# Allegro board fscvmotherboardv2.brd (continued)
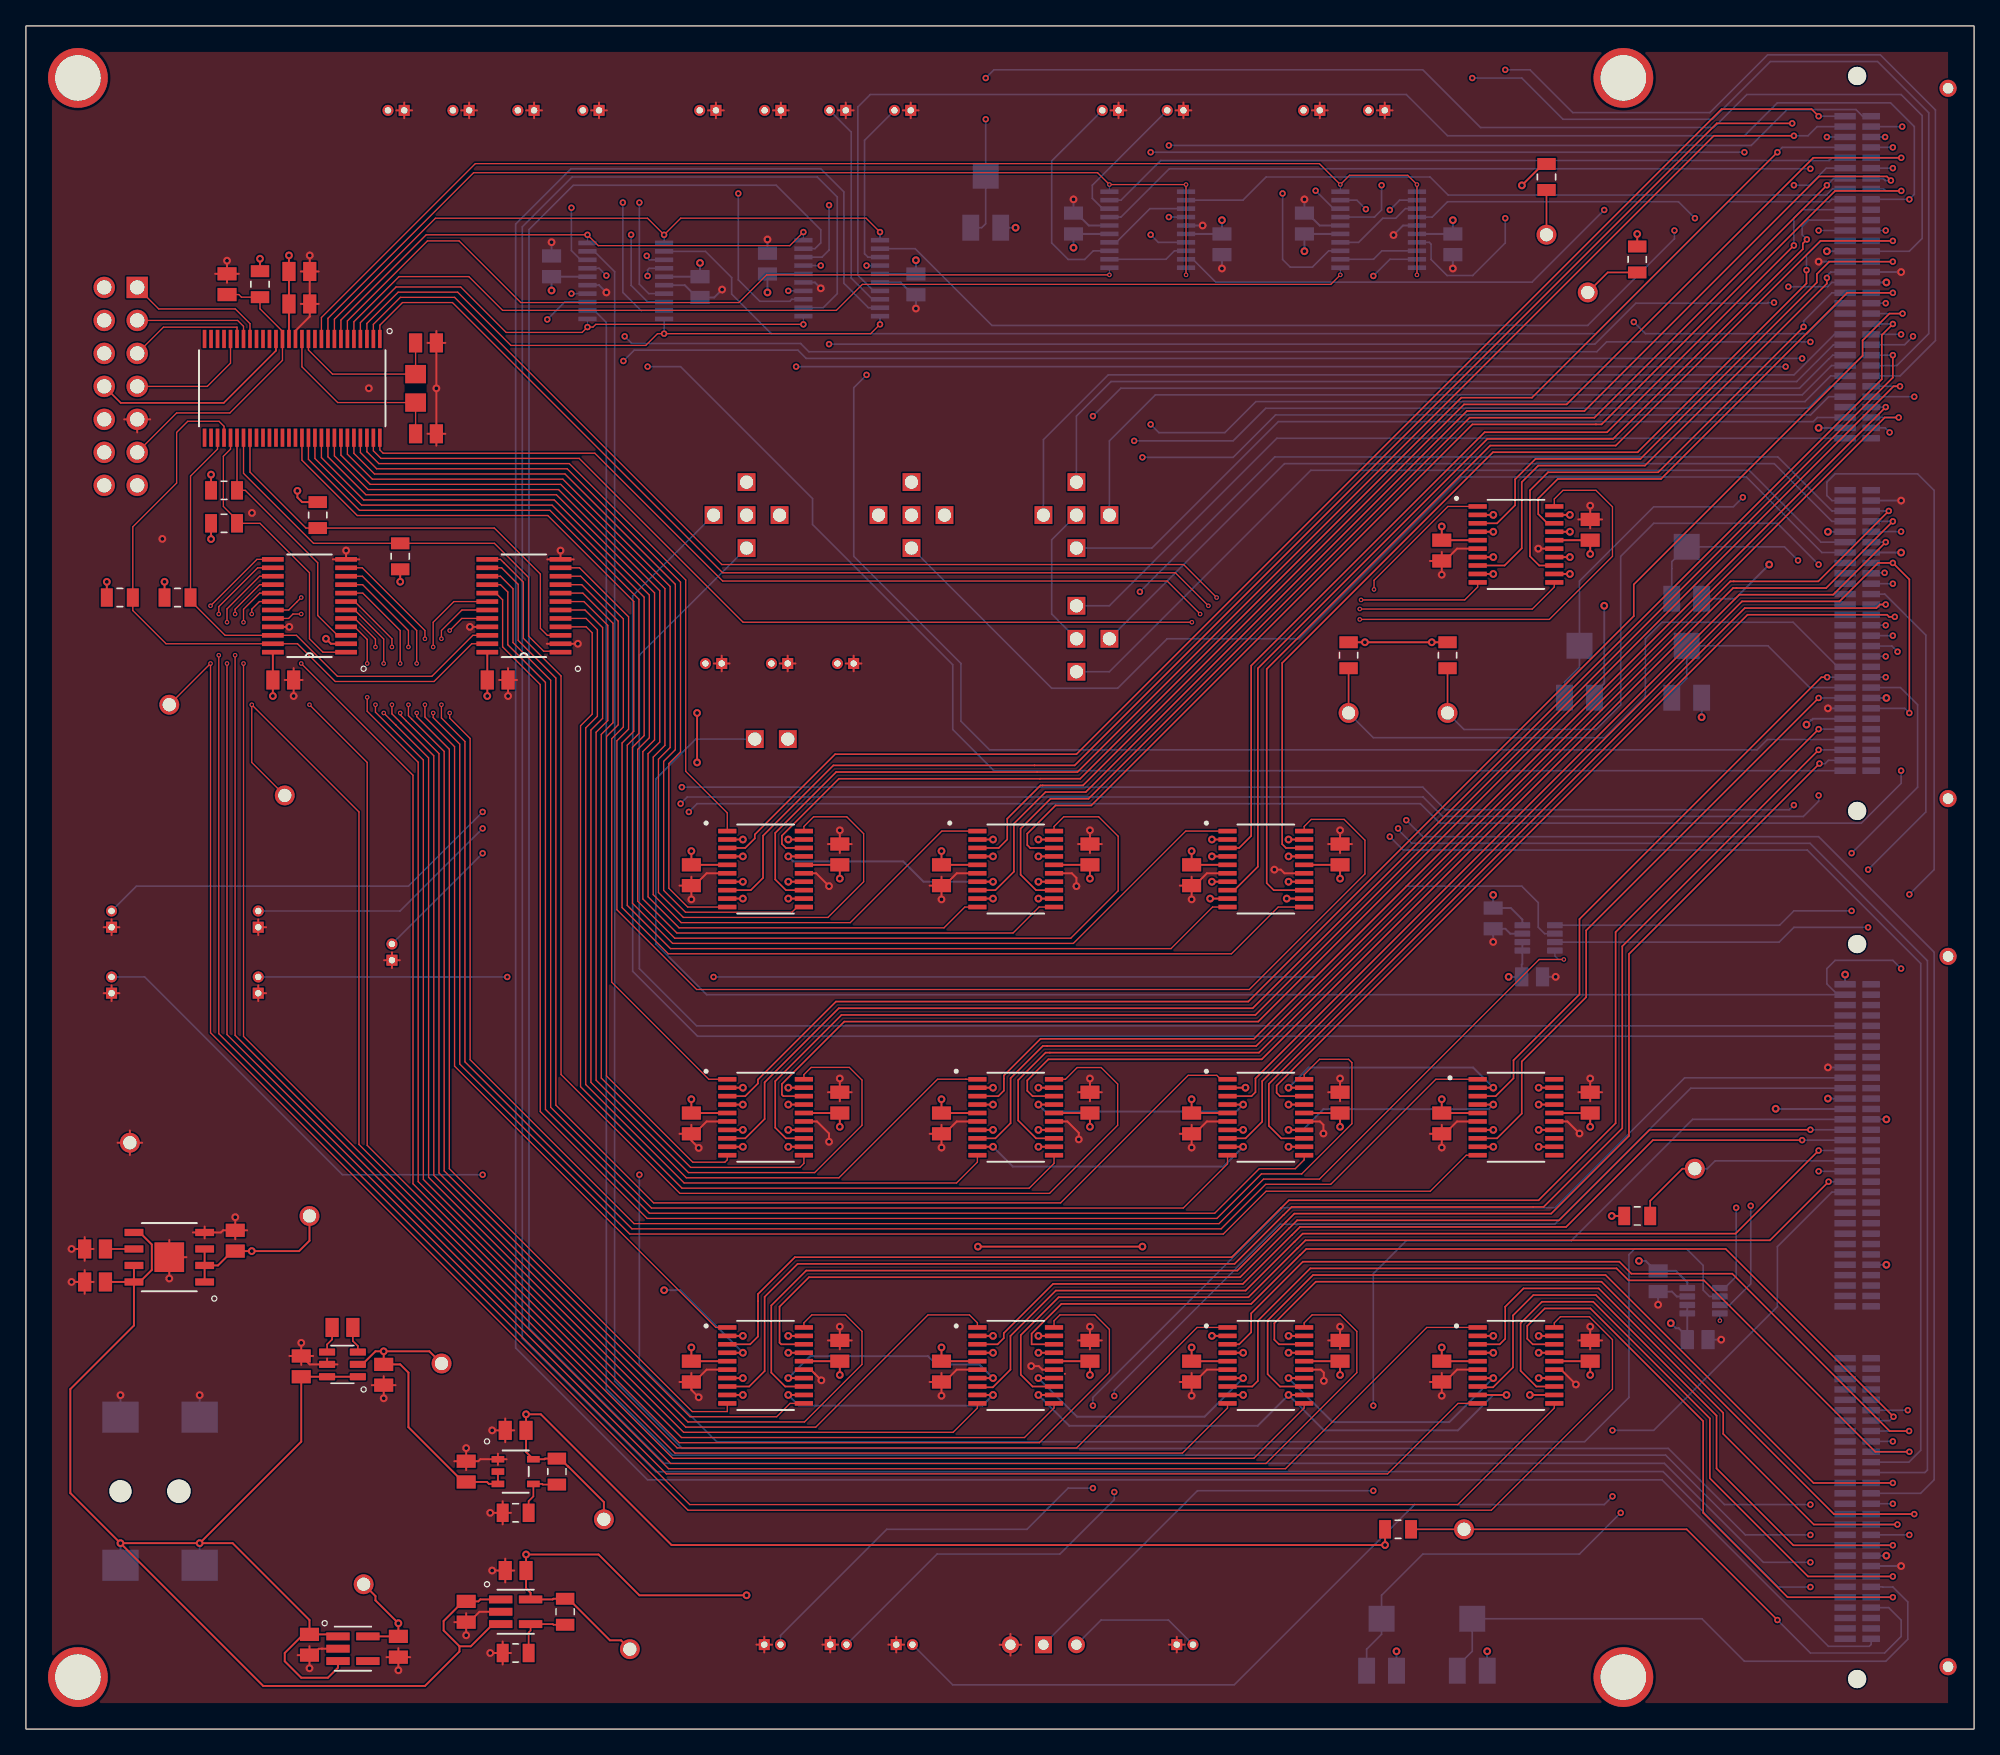
[diagram p0: board, top side]
## Placement (name value [footprint] x y rotation side) (continued)
UNK-5V  5000  [KEYSTONE_5000]  32 28.15 0 bottom
VB  5000  [SAMTEC_TLW-101-06-T-S]  68.19 93.49 180 bottom
VD1  5000  [SAMTEC_TLW-101-06-T-S]  80.89 93.49 0 bottom
VD2  5000  [SAMTEC_TLW-101-06-T-S]  80.89 83.96 0 bottom
VDD_IT1  5000  [SAMTEC_TLW-101-06-T-S]  56.12 76.23 270 bottom
VR1  3314J-1-754E  [TRIM_3314J-1-754E]  119.62 81.42 180 bottom
VR2  3314J-1-754E  [TRIM_3314J-1-754E]  111.36 6.49 180 bottom
VR3  3314J-1-754E  [TRIM_3314J-1-754E]  127.88 81.42 180 bottom
VR4  3314J-1-754E  [TRIM_3314J-1-754E]  104.38 6.49 180 bottom
VR5  3314J-1-754E  [TRIM_3314J-1-754E]  73.9 117.62 180 bottom
VR6  3314J-1-754E  [TRIM_3314J-1-754E]  127.88 89.04 180 bottom
VS  5000  [SAMTEC_TLW-101-06-T-S]  55.48 93.49 180 bottom
X1  Crystal  [XTAL_KA-A3_EPS]  30 103.25 270 top

## Library data of the parts
1.65V GND1 IBX_PR IREF_IBX_12 IREF_IBX_34 IREF_IBX_56 IREF_IBX_78 IREF_IBX_D SNFET_1_VD SNFET_2_VD SNFET_3_VD SNFET_4_VD SNFET_5_VB SNFET_5_VD SNFET_5_VS SNFET_SHARED_VB SNFET_SHARED_VS SPFET_1_VB SPFET_1_VD SPFET_1_VS SPFET_2_VB SPFET_2_VD SPFET_2_VS TP1 TP2 UNK3.3V UNK+1.65V UNK+5V UNK-1.65V UNK-5V VB VD1 VD2 VDD_IT1 VS = TP
C1-C55 = C
J1 = FSCV HSEC8-160-01-L-RA x 2
J2 = JTAG_87831-1420
J3 = PowerJack_PJ-002AH-SMT-TR
J4-J27 = Connec2
R1-R7 R10-R19 = R
SW1 = Switch_1P2T_MSS-102559-14A-D
U1 = MSP430FR4132IG56
U2 = Volt_Reg_ADP7118ARDZ-3.3: User Part Number: PN
U3 U7 = TPS78401QDBVRQ1
U4 U6 = TCA9539PWR
U5 = LTC1983ES6_5
U8 = MAX1735EUK25T
U9-U24 = TMUX6234PWR
U25 U26 = TMUX6119DCNR
VR1-VR6 = Res_3314J-1-754E
X1 = Crystal

## Footprints (pads in the part's own frame, mm; a bottom-side part is the same pattern mirrored in y, then rotated)
2XSAMTEC_HSEC8-160-01-X-RA-XX
  round 1.4 hole 1.4 unplated: (-28.3,0) (28.3,0) (38.55,0) (95.15,0)
  round 1.318 hole 0.81: (-27.35,-7) (27.35,-7) (39.5,-7) (94.2,-7)
  rect 0.5x1.65 smd: 1(-25.2,0.925) 2(-24.4,0.925) 3(-23.6,0.925) 4(-22.8,0.925) 5(-22,0.925) 6(-21.2,0.925) 7(-20.4,0.925) 8(-19.6,0.925) 9(-18.8,0.925) 10(-18,0.925) 11(-17.2,0.925) 12(-16.4,0.925) 13(-15.6,0.925) 14(-14.8,0.925) 15(-14,0.925) 16(-13.2,0.925) 17(-12.4,0.925) 18(-11.6,0.925) 19(-10.8,0.925) 20(-10,0.925) 21(-9.2,0.925) 22(-8.4,0.925) 23(-7.6,0.925) 24(-6.8,0.925) 25(-6,0.925) 26(-5.2,0.925) 27(-4.4,0.925) 28(-3.6,0.925) 29(-2.8,0.925) 30(-2,0.925) 31(-1.2,0.925) 32(-0.4,0.925) 33(3.6,0.925) 34(4.4,0.925) 35(5.2,0.925) 36(6,0.925) 37(6.8,0.925) 38(7.6,0.925) 39(8.4,0.925) 40(9.2,0.925) 41(10,0.925) 42(10.8,0.925) 43(11.6,0.925) 44(12.4,0.925) 45(13.2,0.925) 46(14,0.925) 47(14.8,0.925) 48(15.6,0.925) 49(16.4,0.925) 50(17.2,0.925) 51(18,0.925) 52(18.8,0.925) 53(19.6,0.925) 54(20.4,0.925) 55(21.2,0.925) 56(22,0.925) 57(22.8,0.925) 58(23.6,0.925) 59(24.4,0.925) 60(25.2,0.925) 121(41.65,0.925) 122(42.45,0.925) 123(43.25,0.925) 124(44.05,0.925) 125(44.85,0.925) 126(45.65,0.925) 127(46.45,0.925) 128(47.25,0.925) 129(48.05,0.925) 130(48.85,0.925) 131(49.65,0.925) 132(50.45,0.925) 133(51.25,0.925) 134(52.05,0.925) 135(52.85,0.925) 136(53.65,0.925) 137(54.45,0.925) 138(55.25,0.925) 139(56.05,0.925) 140(56.85,0.925) 141(57.65,0.925) 142(58.45,0.925) 143(59.25,0.925) 144(60.05,0.925) 145(60.85,0.925) 146(61.65,0.925) 147(62.45,0.925) 148(63.25,0.925) 149(64.05,0.925) 150(64.85,0.925) 151(65.65,0.925) 152(66.45,0.925) 153(70.45,0.925) 154(71.25,0.925) 155(72.05,0.925) 156(72.85,0.925) 157(73.65,0.925) 158(74.45,0.925) 159(75.25,0.925) 160(76.05,0.925) 161(76.85,0.925) 162(77.65,0.925) 163(78.45,0.925) 164(79.25,0.925) 165(80.05,0.925) 166(80.85,0.925) 167(81.65,0.925) 168(82.45,0.925) 169(83.25,0.925) 170(84.05,0.925) 171(84.85,0.925) 172(85.65,0.925) 173(86.45,0.925) 174(87.25,0.925) 175(88.05,0.925) 176(88.85,0.925) 177(89.65,0.925) 178(90.45,0.925) 179(91.25,0.925) 180(92.05,0.925)
  rect 0.5x1.35 smd: 61(-25.2,-1.075) 62(-24.4,-1.075) 63(-23.6,-1.075) 64(-22.8,-1.075) 65(-22,-1.075) 66(-21.2,-1.075) 67(-20.4,-1.075) 68(-19.6,-1.075) 69(-18.8,-1.075) 70(-18,-1.075) 71(-17.2,-1.075) 72(-16.4,-1.075) 73(-15.6,-1.075) 74(-14.8,-1.075) 75(-14,-1.075) 76(-13.2,-1.075) 77(-12.4,-1.075) 78(-11.6,-1.075) 79(-10.8,-1.075) 80(-10,-1.075) 81(-9.2,-1.075) 82(-8.4,-1.075) 83(-7.6,-1.075) 84(-6.8,-1.075) 85(-6,-1.075) 86(-5.2,-1.075) 87(-4.4,-1.075) 88(-3.6,-1.075) 89(-2.8,-1.075) 90(-2,-1.075) 91(-1.2,-1.075) 92(-0.4,-1.075) 93(3.6,-1.075) 94(4.4,-1.075) 95(5.2,-1.075) 96(6,-1.075) 97(6.8,-1.075) 98(7.6,-1.075) 99(8.4,-1.075) 100(9.2,-1.075) 101(10,-1.075) 102(10.8,-1.075) 103(11.6,-1.075) 104(12.4,-1.075) 105(13.2,-1.075) 106(14,-1.075) 107(14.8,-1.075) 108(15.6,-1.075) 109(16.4,-1.075) 110(17.2,-1.075) 111(18,-1.075) 112(18.8,-1.075) 113(19.6,-1.075) 114(20.4,-1.075) 115(21.2,-1.075) 116(22,-1.075) 117(22.8,-1.075) 118(23.6,-1.075) 119(24.4,-1.075) 120(25.2,-1.075) 181(41.65,-1.075) 182(42.45,-1.075) 183(43.25,-1.075) 184(44.05,-1.075) 185(44.85,-1.075) 186(45.65,-1.075) 187(46.45,-1.075) 188(47.25,-1.075) 189(48.05,-1.075) 190(48.85,-1.075) 191(49.65,-1.075) 192(50.45,-1.075) 193(51.25,-1.075) 194(52.05,-1.075) 195(52.85,-1.075) 196(53.65,-1.075) 197(54.45,-1.075) 198(55.25,-1.075) 199(56.05,-1.075) 200(56.85,-1.075) 201(57.65,-1.075) 202(58.45,-1.075) 203(59.25,-1.075) 204(60.05,-1.075) 205(60.85,-1.075) 206(61.65,-1.075) 207(62.45,-1.075) 208(63.25,-1.075) 209(64.05,-1.075) 210(64.85,-1.075) 211(65.65,-1.075) 212(66.45,-1.075) 213(70.45,-1.075) 214(71.25,-1.075) 215(72.05,-1.075) 216(72.85,-1.075) 217(73.65,-1.075) 218(74.45,-1.075) 219(75.25,-1.075) 220(76.05,-1.075) 221(76.85,-1.075) 222(77.65,-1.075) 223(78.45,-1.075) 224(79.25,-1.075) 225(80.05,-1.075) 226(80.85,-1.075) 227(81.65,-1.075) 228(82.45,-1.075) 229(83.25,-1.075) 230(84.05,-1.075) 231(84.85,-1.075) 232(85.65,-1.075) 233(86.45,-1.075) 234(87.25,-1.075) 235(88.05,-1.075) 236(88.85,-1.075) 237(89.65,-1.075) 238(90.45,-1.075) 239(91.25,-1.075) 240(92.05,-1.075)
21-0057F_MXM
  rect 0.978x0.508 smd: 1(-1.365,0.95) 2(-1.365,0) 3(-1.365,-0.95) 4(1.365,-0.95) 5(1.365,0.95)
CAP0805
  rect 1.02x1.47 smd: 1(-0.8,0) 2(0.8,0)
CUI_PJ-002AH-SMT-TR
  round 1.7 hole 1.7 unplated: (-3.1,0.3)
  round 1.8 hole 1.8 unplated: (1.4,0.3)
  rect 2.8x2.4 smd: 1A(3,6) 1B(-3.1,6) 2(-3.1,-5.4) 3(3,-5.4)
DBV0005A_IPC_A
  rect 1.805x0.612 smd: 1(-1.151,0.95) 2(-1.151,0) 3(-1.151,-0.95) 4(1.151,-0.95) 5(1.151,0.95)
DGG56_TEX
  rect 1.404x0.279 smd: 1(-3.801,6.75) 2(-3.801,6.25) 3(-3.801,5.75) 4(-3.801,5.25) 5(-3.801,4.75) 6(-3.801,4.25) 7(-3.801,3.75) 8(-3.801,3.25) 9(-3.801,2.75) 10(-3.801,2.25) 11(-3.801,1.75) 12(-3.801,1.25) 13(-3.801,0.75) 14(-3.801,0.25) 15(-3.801,-0.25) 16(-3.801,-0.75) 17(-3.801,-1.25) 18(-3.801,-1.75) 19(-3.801,-2.25) 20(-3.801,-2.75) 21(-3.801,-3.25) 22(-3.801,-3.75) 23(-3.801,-4.25) 24(-3.801,-4.75) 25(-3.801,-5.25) 26(-3.801,-5.75) 27(-3.801,-6.25) 28(-3.801,-6.75) 29(3.801,-6.75) 30(3.801,-6.25) 31(3.801,-5.75) 32(3.801,-5.25) 33(3.801,-4.75) 34(3.801,-4.25) 35(3.801,-3.75) 36(3.801,-3.25) 37(3.801,-2.75) 38(3.801,-2.25) 39(3.801,-1.75) 40(3.801,-1.25) 41(3.801,-0.75) 42(3.801,-0.25) 43(3.801,0.25) 44(3.801,0.75) 45(3.801,1.25) 46(3.801,1.75) 47(3.801,2.25) 48(3.801,2.75) 49(3.801,3.25) 50(3.801,3.75) 51(3.801,4.25) 52(3.801,4.75) 53(3.801,5.25) 54(3.801,5.75) 55(3.801,6.25) 56(3.801,6.75)
KEYSTONE_5000
  round 1.53 hole 1.02: TP(0,0)
MOLEX_53047-0210
  round 0.85 hole 0.5: 1(0.625,0)
  rect 0.85x0.85 hole 0.5: 2(-0.625,0)
RD-8-1_ADI
  rect 1.455x0.558 smd: 1(-2.721,1.905) 2(-2.721,0.635) 3(-2.721,-0.635) 4(-2.721,-1.905) 5(2.721,-1.905) 6(2.721,-0.635) 7(2.721,0.635) 8(2.721,1.905)
  rect 2.286x2.286 smd: 9(0,0)
RES0805
  rect 0.92x1.42 smd: 1(-1,0) 2(1,0)
SAMTEC_TLW-101-06-T-S
  rect 1.37x1.37 hole 1.02: TP(0,0)
SHDR14W64P254_2X7_2540X905X920P
  rect 1.65x1.65 hole 1.1: 1(0,0)
  round 1.65 hole 1.1: 2(0,2.54) 3(2.54,0) 4(2.54,2.54) 5(5.08,0) 6(5.08,2.54) 7(7.62,0) 8(7.62,2.54) 9(10.16,0) 10(10.16,2.54) 11(12.7,0) 12(12.7,2.54) 13(15.24,0) 14(15.24,2.54)
SOT65P280X145-8N
  custom 1.21x0.48 smd: 1(-1.255,0.975) 2(-1.255,0.325) 3(-1.255,-0.325) 4(-1.255,-0.975) 5(1.255,-0.975) 6(1.255,-0.325) 7(1.255,0.325) 8(1.255,0.975)
SOT95P280X100-6N
  custom 1.24x0.55 smd: 1(-1.185,0.95) 2(-1.185,0) 3(-1.185,-0.95) 4(1.185,-0.95) 5(1.185,0) 6(1.185,0.95)
SW_MSS-102559-14A-D
  rect 1.308x1.308 hole 0.8: 1(0,0)
  round 1.308 hole 0.8: 2(-2.54,0) 3(2.54,0)
TCAL9539PW24
  rect 1.676x0.356 smd: 1(-2.819,3.575) 2(-2.819,2.925) 3(-2.819,2.275) 4(-2.819,1.625) 5(-2.819,0.975) 6(-2.819,0.325) 7(-2.819,-0.325) 8(-2.819,-0.975) 9(-2.819,-1.625) 10(-2.819,-2.275) 11(-2.819,-2.925) 12(-2.819,-3.575) 13(2.819,-3.575) 14(2.819,-2.925) 15(2.819,-2.275) 16(2.819,-1.625) 17(2.819,-0.975) 18(2.819,-0.325) 19(2.819,0.325) 20(2.819,0.975) 21(2.819,1.625) 22(2.819,2.275) 23(2.819,2.925) 24(2.819,3.575)
TRIM_3314J-1-754E
  rect 1.3x2 smd: 1(1.15,-2) 3(-1.15,-2)
  rect 2x2 smd: 2(0,2)
TSSOP20_PW_TEX
  rect 1.404x0.355 smd: 1(-2.95,2.925) 2(-2.95,2.275) 3(-2.95,1.625) 4(-2.95,0.975) 5(-2.95,0.325) 6(-2.95,-0.325) 7(-2.95,-0.975) 8(-2.95,-1.625) 9(-2.95,-2.275) 10(-2.95,-2.925) 11(2.95,-2.925) 12(2.95,-2.275) 13(2.95,-1.625) 14(2.95,-0.975) 15(2.95,-0.325) 16(2.95,0.325) 17(2.95,0.975) 18(2.95,1.625) 19(2.95,2.275) 20(2.95,2.925)
unnamed
  round 4.6 hole 3.5: (0,0)
XTAL_KA-A3_EPS
  rect 1.412x1.6 smd: 1(-1.095,0) 2(1.095,0)

## Nets
3.3V: C3.2 C4.2 C8.1 C50.2 C51.2 J2.4 R1.1 R2.2 R3.2 R4.2 R5.2 R6.2 R7.2 U1.15 U2.1 U2.2(VOUT_2) U2.3 U4.24(VCC) U6.2 U6.24(VCC) UNK3.3V.TP
5V_UNREGULATED: C6.1 C9.1 C12.1 C14.1 J3.1A J3.1B U2.5 U2.7 U2.8 U3.1 U3.3 U5.1 U5.6 U7.1 U7.3
+1.65V: 1.65V.TP C15.1 J1.133 R10.2 U7.5(OUT) U9.4 U9.7 U9.14 U9.17 U10.4 U10.7 U11.4 U11.7 U11.14 U11.17 U12.4 U12.7 U12.14 U12.17 U13.4 U13.7 U13.14 U13.17 U14.4 U14.7 U14.14 U14.17 U15.4 U15.7 U15.14 U15.17 U16.4 U16.7 U16.14 U16.17 U17.4 U17.7 U17.14 U17.17 U19.4 U19.7 U19.14 U19.17 U21.4 U21.7 U21.14 U21.17 U24.4 U24.7 U24.14 U24.17 UNK+1.65V.TP
+5V: C10.1 C18.1 C20.1 C22.1 C24.1 C26.1 C28.1 C30.1 C32.1 C34.1 C36.1 C38.1 C40.1 C42.1 C44.1 C46.1 C48.1 C52.1 C54.1 U3.5(OUT) U9.16 U10.16 U11.16 U12.16 U13.16 U14.16 U15.16 U16.16 U17.16 U18.16 U19.16 U20.16 U21.16 U22.16 U23.16 U24.16 U25.1 U25.2 U26.1 U26.2 UNK+5V.TP
-1.65V: C16.1 J1.14 J1.31 J1.37 J1.55 J1.77 J1.99 J1.113 J1.121 J1.132 J1.194 J1.208 J1.232 R12.2 R14.2 R15.2 R16.2 R17.2 R18.2 R19.2 U8.5 U9.2 U9.9 U9.12 U9.19 U10.2 U10.9 U11.2 U11.9 U11.12 U11.19 U12.2 U12.9 U12.12 U12.19 U13.2 U13.9 U13.12 U13.19 U14.2 U14.9 U14.12 U14.19 U15.2 U15.9 U15.12 U15.19 U16.2 U16.9 U16.12 U16.19 U17.2 U17.9 U17.12 U17.19 U19.2 U19.9 U19.12 U19.19 U21.2 U21.9 U21.12 U21.19 U24.2 U24.9 U24.12 U24.19 UNK-1.65V.TP VR1.3 VR2.3 VR3.3 VR4.3 VR5.3 VR6.3
-5V: C11.1 C17.1 C19.1 C21.1 C23.1 C25.1 C27.1 C29.1 C31.1 C33.1 C35.1 C37.1 C39.1 C41.1 C43.1 C45.1 C47.1 C49.1 C53.2 C55.2 U5.2(VOUT) U8.2 U8.3 U9.5(VSS) U10.5(VSS) U11.5(VSS) U12.5(VSS) U13.5(VSS) U14.5(VSS) U15.5(VSS) U16.5(VSS) U17.5(VSS) U18.5(VSS) U19.5(VSS) U20.5(VSS) U21.5(VSS) U22.5(VSS) U23.5(VSS) U24.5(VSS) U25.4(VSS) U26.4(VSS) UNK-5V.TP
GND: C1.2 C2.2 C3.1 C4.1 C5.1 C6.2 C7.2 C8.2 C9.2 C10.2 C11.2 C12.2 C14.2 C15.2 C16.2 C17.2 C18.2 C19.2 C20.2 C21.2 C22.2 C23.2 C24.2 C25.2 C26.2 C27.2 C28.2 C29.2 C30.2 C31.2 C32.2 C33.2 C34.2 C35.2 C36.2 C37.2 C38.2 C39.2 C40.2 C41.2 C42.2 C43.2 C44.2 C45.2 C46.2 C47.2 C48.2 C49.2 C50.1 C51.1 C52.2 C53.1 C54.2 C55.1 GND1.TP J1.15 J1.54 J1.76 J1.94 J1.129 J1.233 J2.9 J3.2 J3.3 J4.2 J5.2 J6.2 J7.2 J8.2 J9.2 J10.2 J11.2 J12.2 J13.2 J14.2 J15.2 J16.2 J17.2 J18.2 J19.2 J20.2 J21.2 J22.2 J23.2 J24.2 J25.2 J26.2 J27.2 R11.1 R13.1 SW1.3 U1.14 U2.4 U2.9 U3.2 U4.2 U4.12 U4.21 U5.5 U6.12 U6.21 U7.2 U8.1 U9.6 U9.15 U10.6 U10.15 U11.6 U11.15 U12.6 U12.15 U13.6 U13.15 U14.6 U14.15 U15.6 U15.15 U16.6 U16.15 U17.6 U17.15 U18.6 U18.15 U19.6 U19.15 U20.6 U20.15 U21.6 U21.15 U22.6 U22.15 U23.6 U23.15 U24.6 U24.15 U25.3 U26.3
VDD_12: J1.13 U12.18
VDD_34: J1.231 U9.8
VDD_56: J1.56 U17.3
VDD_78: J1.78 U19.18
VDD_D: J1.100 J1.114 U21.8
VDD_DNA_1: J1.195
VDD_DNA_2: J1.209
VDD_IT: J1.34 J1.122 VDD_IT1.TP
CH_A_SEL: U1.8 U18.1 U20.1
CH_AB_COND_SEL: U1.6 U22.1
CH_AB_SEL: U1.9 U22.10 U22.11 U22.20
CH_B_SEL: U1.3 U18.10 U20.10
CH_C_SEL: U1.7 U18.20 U20.20
CH_CD_COND_SEL: U1.5 U23.1
CH_CD_SEL: U1.10 U23.10 U23.11 U23.20
CH_D_SEL: U1.4 U18.11 U20.11
CH_EN_1: J1.11 U12.8
CH_EN_1_SEL: U1.45 U12.10
CH_EN_2: J1.1 U16.3
CH_EN_2_SEL: U1.54 U16.1
CH_EN_3: J1.229 U9.3
CH_EN_3_SEL: U6.16 U9.1
CH_EN_4: J1.219 U24.18
CH_EN_4_SEL: U6.4 U24.20
CH_EN_5: J1.58 U17.8
CH_EN_5_SEL: U6.10 U17.10
CH_EN_6: J1.68 U13.18
CH_EN_6_SEL: U1.47 U13.20
CH_EN_7: J1.80 U15.3
CH_EN_7_SEL: U4.10 U15.1
CH_EN_8: J1.90 U14.8
CH_EN_8_SEL: U4.5 U14.10
CH_EN_D: J1.95 U14.13
CH_EN_D_SEL: U4.4 U14.11
CH_OUT_A: J5.1 U18.3
CH_OUT_B: J9.1 U18.8
CH_OUT_C: J13.1 U18.18
CH_OUT_D: J17.1 U18.13
CH_OUTPUT_1: J1.12 U18.2
CH_OUTPUT_2: J1.240 U18.9
CH_OUTPUT_3: J1.230 U18.19
CH_OUTPUT_4: J1.218 U18.12
CH_OUTPUT_5: J1.57 U18.4
CH_OUTPUT_6: J1.69 U18.7
CH_OUTPUT_7: J1.79 U18.17
CH_OUTPUT_8: J1.91 U18.14
CH_OUTPUT_D: J1.110
CM: J1.134 SW1.1
CM_EXT: J22.1 SW1.2
COND_EN_1: J1.7 U13.13
COND_EN_1_SEL: U1.48 U13.11
COND_EN_2: J1.4 U16.18
COND_EN_2_SEL: U1.51 U16.20
COND_EN_3: J1.225 U11.13
COND_EN_3_SEL: TP2.TP U6.18 U11.11
COND_EN_4: J1.222 U11.8
COND_EN_4_SEL: U6.19 U11.10
COND_EN_5: J1.62 U16.8
COND_EN_5_SEL: U1.53 U16.10
COND_EN_6: J1.65 U13.3
COND_EN_6_SEL: U1.50 U13.1
COND_EN_7: J1.84 U15.13
COND_EN_7_SEL: U4.8 U15.11
COND_EN_8: J1.87 U15.18
COND_EN_8_SEL: U4.7 U15.20
COND_EN_D: J1.105 U21.18
COND_EN_D_SEL: U4.17 U21.20
DHP_DNA<0>: J1.201
DHP_DNA<1>: J1.200
DHP_DNA<2>: J1.199
DHP_DNA<3>: J1.198
DHP_DNA<4>: J1.197
DHP_DNA<5>: J1.196
DHP_DNA<6>: J1.193
DHP_DNA<7>: J1.192
DHP_DNA<8>: J1.191
DHP_DNA<9>: J1.190
DIFF_NFET_1_SHARED_VB: J1.45
DIFF_NFET_1_SHARED_VD: J1.42
DIFF_NFET_1_VSN: J1.43
DIFF_NFET_1_VSP: J1.44
DIFF_NFET_2_SHARED_VB: J1.46
DIFF_NFET_2_SHARED_VD: J1.41
DIFF_NFET_2_VSN: J1.118
DIFF_NFET_2_VSP: J1.117
DIFF_NFET_3_SHARED_VB: J1.47
DIFF_NFET_3_SHARED_VD: J1.40
DIFF_NFET_3_VSN: J1.119
DIFF_NFET_3_VSP: J1.120
DIFF_PFET_SHARED_VB: J1.33
DIFF_PFET_SHARED_VD: J1.29
DIFF_PFET_VSN: J1.123
DIFF_PFET_VSP: J1.124
DLP_DNA<0>: J1.167
DLP_DNA<1>: J1.168
DLP_DNA<2>: J1.169
DLP_DNA<3>: J1.170
DLP_DNA<4>: J1.171
DLP_DNA<5>: J1.172
DLP_DNA<6>: J1.173
DLP_DNA<7>: J1.174
DLP_DNA<8>: J1.175
DLP_DNA<9>: J1.176
EN_12_SEL: U4.11 U12.20
EN_34_SEL: U6.15 U9.10
EN_56_SEL: U6.11 U17.1
EN_78_SEL: U1.55 U19.20
EN_D_SEL: U4.15 U21.10
HP1O_DNA: J1.215
HP2O_DNA: J1.214
HP_BYPASS_EN_1: J1.10 U12.3
HP_BYPASS_EN_1_SEL: U1.46 U12.1
HP_BYPASS_EN_2: J1.2 U16.13
HP_BYPASS_EN_2_SEL: U1.52 U16.11
HP_BYPASS_EN_3: J1.228 U11.18
HP_BYPASS_EN_3_SEL: U6.17 U11.20
HP_BYPASS_EN_4: J1.220 U11.3
HP_BYPASS_EN_4_SEL: U6.20 U11.1
HP_BYPASS_EN_5: J1.59 U17.13
HP_BYPASS_EN_5_SEL: U6.9 U17.11
HP_BYPASS_EN_6: J1.67 U13.8
HP_BYPASS_EN_6_SEL: U1.49 U13.10
HP_BYPASS_EN_7: J1.81 U15.8
HP_BYPASS_EN_7_SEL: U4.9 U15.10
HP_BYPASS_EN_8: J1.89 U14.3
HP_BYPASS_EN_8_SEL: U4.6 U14.1
HP_BYPASS_EN_D: J1.96 U14.18
HP_BYPASS_EN_D_SEL: U4.13 U14.20
HPF_OUT_BUF: J1.109 J20.1
IA_EN_DNA: J1.185
IB_SEL_HP_DNA<0>: J1.204
IB_SEL_HP_DNA<1>: J1.205
IB_SEL_LP_DNA<0>: J1.164
IB_SEL_LP_DNA<1>: J1.163
IBX_IN_DIFF_DNA: J1.181
IBX_OPA_DNA: J1.180
IBX_PR: IBX_PR.TP J1.138 R14.1
IBX_PR_HP_DNA: J1.202
IBX_PR_LP_DNA: J1.166
IIN_PR: J1.131 J23.1
INT1: R2.1 U1.35 U4.1
INT2: R6.1 U1.33 U6.1
IREF_EN_12: J1.16 U19.8
IREF_EN_12_SEL: U1.1 U19.10
IREF_EN_34: J1.234 U9.13
IREF_EN_34_SEL: U6.14 U9.11
IREF_EN_56: J1.53 U10.8
IREF_EN_56_SEL: U4.18 U10.10
IREF_EN_78: J1.75 U19.3
IREF_EN_78_SEL: U1.2 U19.1
IREF_EN_D: J1.104 U21.13
IREF_EN_D_SEL: U4.16 U21.11
IREF_EN_DNA: J1.184
IREF_IBX_12: IREF_IBX_12.TP J1.19 R15.1
IREF_IBX_34: IREF_IBX_34.TP J1.237 R16.1
IREF_IBX_56: IREF_IBX_56.TP J1.50 R17.1
IREF_IBX_78: IREF_IBX_78.TP J1.72 R18.1
IREF_IBX_D: IREF_IBX_D.TP J1.101 R19.1
IREF_OFF_CHIP_PR: J1.141 J24.1
IREF_REXT_12: J1.17 VR1.1 VR1.2(WIPER)
IREF_REXT_34: J1.235 VR2.1 VR2.2(WIPER)
IREF_REXT_56: J1.52 VR3.1 VR3.2(WIPER)
IREF_REXT_78: J1.74 VR5.1 VR5.2(WIPER)
IREF_REXT_D: J1.102 VR6.1 VR6.2(WIPER)
IREF_SWITCH_PR: J1.140 U24.13
IREF_SWITCH_PR_SEL: U6.5 U24.11
IREF_TEST_12: J1.18 U19.13
IREF_TEST_12_SEL: U1.56 U19.11
IREF_TEST_34: J1.236 U9.18
IREF_TEST_34_SEL: TP1.TP U6.13 U9.20
IREF_TEST_56: J1.51 U10.3
IREF_TEST_56_SEL: U4.19 U10.1
IREF_TEST_78: J1.73 U12.13
IREF_TEST_78_SEL: U1.44 U12.11
IREF_TEST_D: J1.98 U21.3
IREF_TEST_D_SEL: U4.14 U21.1
LPO_DNA: J1.213
NO_CONNEC_1: J1.20
NO_CONNEC_2: J1.21
NO_CONNEC_3: J1.48
NO_CONNEC_4: J1.49
NO_CONNEC_5: J1.70
NO_CONNEC_6: J1.71
NO_CONNEC_7: J1.92
NO_CONNEC_8: J1.93
NO_CONNEC_9: J1.115
NO_CONNEC_10: J1.116
NO_CONNEC_11: J1.127
NO_CONNEC_12: J1.128
NO_CONNEC_15: J1.142
NO_CONNEC_16: J1.143
NO_CONNEC_17: J1.144
NO_CONNEC_18: J1.145
NO_CONNEC_19: J1.146
NO_CONNEC_20: J1.147
NO_CONNEC_21: J1.148
NO_CONNEC_22: J1.149
NO_CONNEC_23: J1.150
NO_CONNEC_24: J1.151
NO_CONNEC_25: J1.152
NO_CONNEC_26: J1.153
NO_CONNEC_27: J1.154
NO_CONNEC_28: J1.155
NO_CONNEC_29: J1.156
NO_CONNEC_30: J1.157
NO_CONNEC_31: J1.158
NO_CONNEC_32: J1.159
NO_CONNEC_33: J1.160
NO_CONNEC_34: J1.161
NO_CONNEC_35: J1.216
NO_CONNEC_36: J1.217
NO_CONNEC_37: J1.238
NO_CONNEC_38: J1.239
RESET1: R3.1 U1.36 U4.3
RESET2: R7.1 U1.34 U6.3
REXT_IN_DIFF_DNA: J1.182
REXT_OPA_DNA: J1.183
REXT_PR: J1.139 VR4.1 VR4.2(WIPER)
RST: C5.2 J2.11 R1.2 U1.16
SCL: R5.1 U1.31 U4.22 U6.22
SDA: R4.1 U1.32 U4.23 U6.23
SEL1_PR: J1.137 U24.8
SEL1_PR_SEL: U6.6 U24.10
SEL2_PR: J1.136 U24.3
SEL2_PR_SEL: U6.7 U24.1
SEL3_PR: J1.135 U17.18
SEL3_PR_SEL: U6.8 U17.20
SENSOR_1: J1.9 U20.2
SENSOR_2: J1.3 U20.9
SENSOR_3: J1.227 U20.19
SENSOR_4: J1.221 U20.12
SENSOR_5: J1.60 U20.4
SENSOR_6: J1.66 U20.7
SENSOR_7: J1.82 U20.17
SENSOR_8: J1.88 U20.14
SENSOR_A: J4.1 U20.3
SENSOR_B: J8.1 U20.8
SENSOR_C: J12.1 U20.18
SENSOR_CD: J1.97 J15.1
SENSOR_D: J16.1 U20.13
SH_EN_DNA: J1.162
SNFET_1_VD: J1.38 SNFET_1_VD.TP
SNFET_2_VD: J1.36 SNFET_2_VD.TP
SNFET_3_VD: J1.30 SNFET_3_VD.TP
SNFET_4_VD: J1.32 SNFET_4_VD.TP
SNFET_5_VB: J1.26 SNFET_5_VB.TP
SNFET_5_VD: J1.25 SNFET_5_VD.TP
SNFET_5_VS: J1.24 SNFET_5_VS.TP
SNFET_SHARED_VB: J1.39 SNFET_SHARED_VB.TP
SNFET_SHARED_VS: J1.35 SNFET_SHARED_VS.TP
SPFET_1_VB: J1.27 SPFET_1_VB.TP
SPFET_1_VD: J1.23 SPFET_1_VD.TP
SPFET_1_VS: J1.126 SPFET_1_VS.TP
SPFET_2_VB: J1.28 SPFET_2_VB.TP
SPFET_2_VD: J1.22 SPFET_2_VD.TP
SPFET_2_VS: J1.125 SPFET_2_VS.TP
T_VRPS_AB: J14.1 U22.3
T_VRPS_AB_C: U22.4 U22.13
T_VRPS_AB_M: U22.2 U22.18
T_VRPS_C_12: J1.8 U22.12
T_VRPS_C_34: J1.226 U23.12
T_VRPS_C_56: J1.61 U22.14
T_VRPS_C_78: J1.83 U23.14
T_VRPS_C_D: J1.103 U25.7
T_VRPS_CD: J18.1 U23.3
T_VRPS_CD_C: U23.4 U23.13
T_VRPS_CD_M: U23.2 U23.18
T_VRPS_D: J11.1 U25.6
T_VRPS_D_SEL: U4.20 U25.8 U26.8
T_VRPS_M_12: J1.6 U22.19
T_VRPS_M_34: J1.223 U23.19
T_VRPS_M_56: J1.63 U22.17
T_VRPS_M_78: J1.86 U23.17
T_VRPS_M_D: J1.112 U25.5
TCK: J2.7 U1.24
TDI: J2.3 U1.22
TDO: J2.1 U1.21
TEST: J2.8 U1.17(TEST/SBWTCK)
TEST_EN_D: J1.106
TIA_C_OUT_BUF: J1.107 U26.7
TIA_EN_DNA: J1.189
TIA_M_OUT_BUF: J1.108 U26.5
TIA_OUT_BUF: J19.1 U26.6
TIA_TST_DNA: J1.186
TIASW_DNA<0>: J1.187
TIASW_DNA<1>: J1.188
TMS: J2.5 U1.23
TSTEN_DNA: J1.177
VB: J27.1 VB.TP
VBGX_PR_HP_DNA: J1.203
VBGX_PR_LP_DNA: J1.165
VCM_HP1_DNA: J1.212
VCM_HP2_DNA: J1.211
VCM_LP_DNA: J1.210
VCM_TIA_DNA: J1.207
VD: J26.1 VD1.TP VD2.TP
VOUT_PR: J1.130 J21.1
VRPS_12: J1.5 U22.9
VRPS_34: J1.224 U23.9
VRPS_56: J1.64 U22.7
VRPS_78: J1.85 U23.7
VRPS_AB: J6.1 U22.8
VRPS_CD: J10.1 U23.8
VRPS_D: J1.111 J7.1
VS: J25.1 VS.TP
VSN_DNA: J1.178
VSP_DNA: J1.179
VSUB_TIA_DNA: J1.206(VSUB_TIA_DNA)
XIN: C2.1 U1.13 X1.2
XOUT: C1.1 U1.12 X1.1
N380998: C13.1 U5.3
N381018: C13.2 U5.4
N381395: R10.1 R11.2 U7.4
N382215: R12.1 R13.2 U8.4(SET)
N543791: C7.1 U2.6

Pads without a net: J2 2 6 10 12 13 14; U1 11 18 19 20 25 26 27 28 29 30 37 38 39 40 41 42 43; U3 4; U10 11 12 13 14 17 18 19 20

## Via types
v1: diameter 0.35, hole 0.2, TOP to BOTTOM, 56 vias
v2: diameter 0.6, hole 0.3, TOP to BOTTOM, 268 vias
v3: diameter 0.5, hole 0.254, TOP to BOTTOM, 174 vias

## Routing (per net, layer and track width the routed paths; a pad name or vN(x,y) marks a point on that pad's centre or on a via; arc(x,y) is an arc through that point)
3.3V: length 202.9
  TOP w0.15: R6.2 v2(14.25,91.64) ; UNK3.3V.TP 21.83,37.61 21.03,36.81 v2(17.39,36.81) C8.1 15.89,36.81 14.78,35.7 U2.2 ; v2(35.52,79.55) C50.2 35.52,82.93 ; 18.02,112.27 v2(18.02,113.23) ; R7.2 v2(14.25,96.6) ; v2(20.9,95.35) 20.9,94.85 21.26,94.49 R3.2 ; U1.15 C4.2 C3.2 v2(20.25,113.48) ; R5.2 v2(10.67,88.34) ; U2.2 U2.1 ; U2.2 U2.3 ; U6.2 23.48,83.58 v2(23.1,83.96) ; R2.2 v2(28.81,88.35) ; v2(19.01,79.55) C51.2 19.01,82.93 ; R4.2 v2(6.22,88.34)
  POWER w0.15: v2(35.52,79.55) 36.44,80.46 36.44,87.14 35.22,88.35 v2(28.81,88.35) ; v2(28.81,88.35) 20.5,88.35 19.01,86.86 v2(19.01,79.55) 19.01,77.33 13.58,71.9 13.58,45.23 18.02,40.78 18.02,37.44 v2(17.39,36.81) ; v2(28.81,88.35) 28.81,89.09 22.56,95.35 v2(20.9,95.35) ; v2(28.81,88.35) 28.81,87.14 25.64,83.96 v2(23.1,83.96) ; v2(20.9,95.35) 20.4,95.35 20.3,95.45 15.41,95.45 v2(14.25,96.6) v2(14.25,91.64) 14.25,90.99 11.61,88.34 v2(10.67,88.34) v2(6.22,88.34) 3.42,91.16 3.42,105.87 J2.4 ; v2(20.9,95.35) 20.9,97.01 20.25,97.66 v2(20.25,113.48) 19.89,113.84 18.63,113.84 v2(18.02,113.23)
5V_UNREGULATED: length 129
  TOP w0.15: C9.1 21.83,8.4 15.91,14.31 v2(13.38,14.31) ; C9.1 21.36,7.29 19.92,5.86 19.92,5.22 21.19,3.95 23.25,3.95 24.02,4.73 U3.3 ; C9.1 23.87,7.29 U3.1 ; v2(13.38,14.31) 21.19,22.13 C12.1 U5.6 U5.1 ; v2(13.38,14.31) v2(7.28,14.31) ; U2.5 8.76,38.24 9.69,37.31 9.69,35.36 8.76,34.43 U2.8 ; U2.8 U2.7 ; U2.8 C6.1 ; U2.8 8.31,31.07 3.42,26.18 3.42,18.17 v2(7.28,14.31) ; U7.3 35.96,8.08 34.25,6.37 33.38,6.37 ; v2(7.28,14.31) 18.27,3.32 30.72,3.32 33.38,5.97 33.38,6.37 ; 33.38,6.37 32.16,7.59 32.16,8.32 33.67,9.83 C14.1 34.83,9.83 34.98,9.98 U7.1
  BOTTOM w0.15: J3.1B v2(7.28,14.31) ; J3.1A v2(13.38,14.31)
+1.65V: length 642.8
  TOP w0.15: U17.7 v2(55.2,27.03) ; U9.4 v2(112.98,28.98) ; U11.7 v2(93.72,27.03) ; U9.17 v2(116.48,28.98) ; U24.17 v2(77.96,28.98) ; U14.7 v2(74.46,46.14) ; U21.17 v2(97.22,48.09) ; U24.4 v2(74.46,28.98) ; U24.14 v2(77.96,27.03) ; U11.4 v2(93.72,28.98) ; U12.14 v2(97.22,65.25) ; U21.7 v2(93.72,46.14) ; U21.4 v2(93.72,48.09) ; U12.4 v2(91.32,67.2) ; U12.17 v2(97.22,67.2) ; U9.14 v2(116.48,27.03) ; U15.17 v2(58.7,48.09) ; U14.14 v2(77.96,46.14) ; U16.4 v2(55.2,67.2) ; U12.7 v2(91.32,65.25) ; U15.7 v2(55.2,46.14) ; UNK+1.65V.TP 45.82,6.83 44.96,6.83 41.77,10.03 R10.2 40.6,10.03 40.55,9.98 U7.5 38.86,10.49 38.5,10.84 C15.1 v2(38.5,13.44) 44.09,13.44 47.23,10.3 v2(55.48,10.3) ; U13.7 v2(74.46,65.25) ; U13.17 v2(77.96,67.2) ; U10.7 v2(112.98,46.14) ; U19.4 v2(112.98,92.2) ; U14.4 v2(74.46,48.09) ; U9.7 v2(112.98,27.03) ; U21.14 v2(97.22,46.14) ; U10.4 v2(112.98,48.09) ; U19.17 v2(118.88,92.2) ; U17.17 v2(58.7,28.98) ; U13.14 v2(77.96,65.25) ; U11.14 v2(97.22,27.03) ; U19.14 v2(118.88,90.25) ; U19.7 v2(112.98,90.25) ; U15.14 v2(58.7,46.14) ; U24.7 v2(74.46,27.03) ; U17.4 v2(55.2,28.98) ; U15.4 v2(55.2,48.09) ; U14.17 v2(77.96,48.09) ; U17.14 v2(58.7,27.03) ; U13.4 v2(74.46,67.2) ; U16.17 v2(58.7,67.2) ; U16.14 v2(58.7,65.25) ; U11.17 v2(97.22,28.98) ; U16.7 v2(55.2,65.25)